# Altium PCB mantarray_beta2_sensor.PcbDoc (part 4 of 5) (continued)
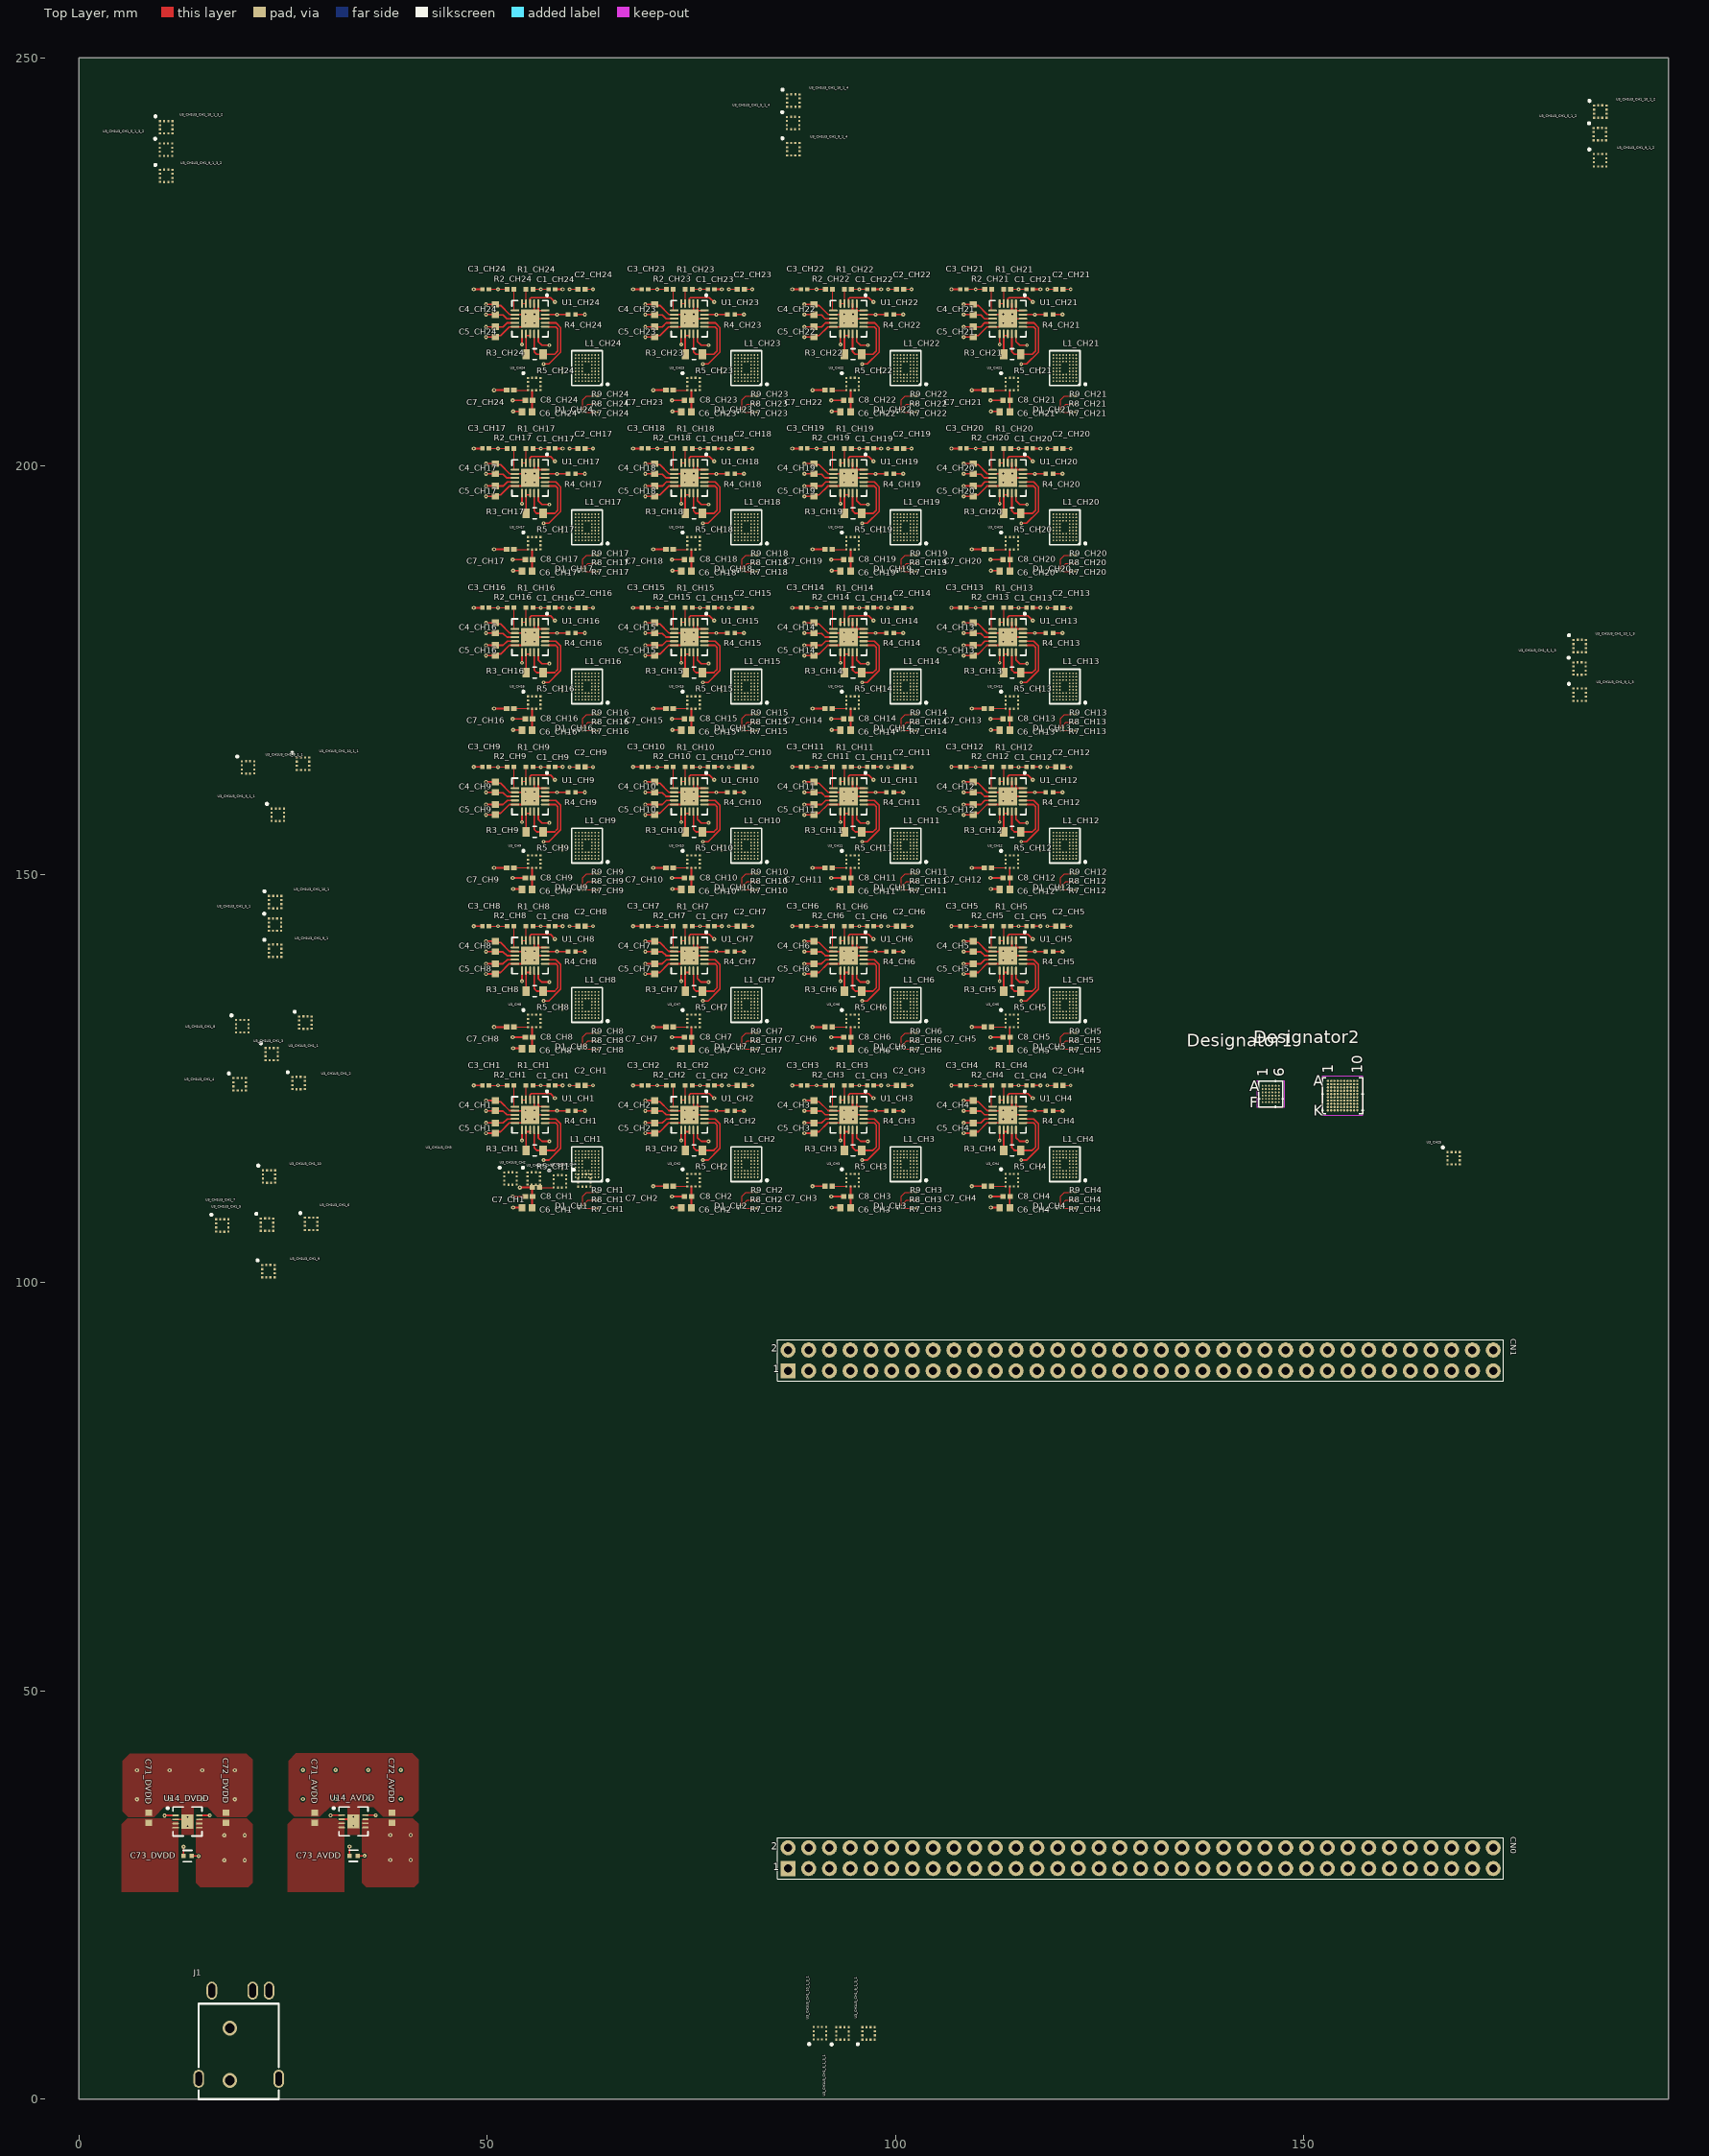
[diagram p0: Top Layer view]
## Nets (pads, with @x,y where several pads share a name; then routed paths per layer and width w, separated by ;. In a path a pad name is that pad's centre, name@x,y a point inside that pad or via, vN(x,y) a via of type N, cw(c..) or ccw(c..) an arc to the next point about the centre after c; other vN are vias at no path point) (continued)
  Top Layer w0.203: v1(10.499,34.725) 10.522,34.748 11.747,34.748 11.749,34.75 ; 11.749,34.25 13.049,34.25 13.299,34 ; 13.799,29.775 v2(14.649,29.775) ; 14.849,34.75 v2(16.034,34.75) ; v1(30.825,34.75) 30.848,34.773 32.073,34.773 32.075,34.775 ; 32.075,34.275 33.375,34.275 33.625,34.025 ; 34.125,29.8 v2(34.975,29.8) ; 35.175,34.775 v2(36.36,34.775) ; v1(48.351,124.148) 48.353,124.15 49.42,124.15 ; v1(48.351,143.648) 48.353,143.65 49.42,143.65 ; v1(48.351,163.148) 48.353,163.15 49.42,163.15 ; v1(48.351,182.648) 48.353,182.65 49.42,182.65 ; v1(48.351,202.148) 48.353,202.15 49.42,202.15 ; v1(48.351,221.648) 48.353,221.65 49.42,221.65 ; v1(49.85,118.3) 51,118.3 51.186,118.486 51.636,118.486 52.7,119.55 54.25,119.55 ; v1(49.85,119.55) 51.95,119.55 52.45,120.05 52.99,120.05 ; v1(49.85,121.05) 51,121.05 51.05,121 51.95,121 52.4,120.55 53.175,120.55 ; v1(49.85,122.3) 51,122.3 51.136,122.164 51.636,122.164 52.741,121.059 53.266,121.059 53.275,121.05 v3@54.75,121.05 ; v1(49.85,137.8) 51,137.8 51.186,137.986 51.636,137.986 52.7,139.05 54.25,139.05 ; v1(49.85,139.05) 51.95,139.05 52.45,139.55 52.99,139.55 ; v1(49.85,140.55) 51,140.55 51.05,140.5 51.95,140.5 52.4,140.05 53.175,140.05 ; v1(49.85,141.8) 51,141.8 51.136,141.664 51.636,141.664 52.741,140.559 53.266,140.559 53.275,140.55 v3@54.75,140.55 ; v1(49.85,157.3) 51,157.3 51.186,157.486 51.636,157.486 52.7,158.55 54.25,158.55 ; v1(49.85,158.55) 51.95,158.55 52.45,159.05 52.99,159.05 ; v1(49.85,160.05) 51,160.05 51.05,160 51.95,160 52.4,159.55 53.175,159.55 ; v1(49.85,161.3) 51,161.3 51.136,161.164 51.636,161.164 52.741,160.059 53.266,160.059 53.275,160.05 v3@54.75,160.05 ; v1(49.85,176.8) 51,176.8 51.186,176.986 51.636,176.986 52.7,178.05 54.25,178.05 ; v1(49.85,178.05) 51.95,178.05 52.45,178.55 52.99,178.55 ; v1(49.85,179.55) 51,179.55 51.05,179.5 51.95,179.5 52.4,179.05 53.175,179.05 ; v1(49.85,180.8) 51,180.8 51.136,180.664 51.636,180.664 52.741,179.559 53.266,179.559 53.275,179.55 v3@54.75,179.55 ; v1(49.85,196.3) 51,196.3 51.186,196.486 51.636,196.486 52.7,197.55 54.25,197.55 ; v1(49.85,197.55) 51.95,197.55 52.45,198.05 52.99,198.05 ; v1(49.85,199.05) 51,199.05 51.05,199 51.95,199 52.4,198.55 53.175,198.55 ; v1(49.85,200.3) 51,200.3 51.136,200.164 51.636,200.164 52.741,199.059 53.266,199.059 53.275,199.05 v3@54.75,199.05 ; v1(49.85,215.8) 51,215.8 51.186,215.986 51.636,215.986 52.7,217.05 54.25,217.05 ; v1(49.85,217.05) 51.95,217.05 52.45,217.55 52.99,217.55 ; v1(49.85,218.55) 51,218.55 51.05,218.5 51.95,218.5 52.4,218.05 53.175,218.05 ; v1(49.85,219.8) 51,219.8 51.136,219.664 51.636,219.664 52.741,218.559 53.266,218.559 53.275,218.55 v3@54.75,218.55 ; v1(50.841,131.3) 52.435,131.3 ; v1(50.841,150.8) 52.435,150.8 ; v1(50.841,170.3) 52.435,170.3 ; v1(50.841,189.8) 52.435,189.8 ; v1(50.841,209.3) 52.435,209.3 ; v1(53.125,110.55) 54.719,110.55 ; v1(53.125,130.05) 54.719,130.05 ; v1(53.125,149.55) 54.719,149.55 ; v1(53.125,169.05) 54.719,169.05 ; v1(53.125,188.55) 54.719,188.55 ; v1(53.125,208.05) 54.719,208.05 ; v1(53.175,109.2) 54.2,109.2 54.25,109.15 ; v1(53.175,128.7) 54.2,128.7 54.25,128.65 ; v1(53.175,148.2) 54.2,148.2 54.25,148.15 ; v1(53.175,167.7) 54.2,167.7 54.25,167.65 ; v1(53.175,187.2) 54.2,187.2 54.25,187.15 ; v1(53.175,206.7) 54.2,206.7 54.25,206.65 ; v1(53.991,111.65) 55.585,111.65 ; 54.25,118.575 54.253,118.572 54.253,117.408 v2(54.256,117.405) ; 54.25,138.075 54.253,138.072 54.253,136.908 v2(54.256,136.905) ; 54.25,157.575 54.253,157.572 54.253,156.408 v2(54.256,156.405) ; 54.25,177.075 54.253,177.072 54.253,175.908 v2(54.256,175.905) ; 54.25,196.575 54.253,196.572 54.253,195.408 v2(54.256,195.405) ; 54.25,216.075 54.253,216.072 54.253,214.908 v2(54.256,214.905) ; 54.75,116.2 54.75,118.449 ; 54.75,118.575 54.75,118.449 ; 54.75,135.7 54.75,137.949 ; 54.75,138.075 54.75,137.949 ; 54.75,155.2 54.75,157.449 ; 54.75,157.575 54.75,157.449 ; 54.75,174.7 54.75,176.949 ; 54.75,177.075 54.75,176.949 ; 54.75,194.2 54.75,196.449 ; 54.75,196.575 54.75,196.449 ; 54.75,213.7 54.75,215.949 ; 54.75,216.075 54.75,215.949 ; 55.25,118.475 54.776,118.475 54.75,118.449 ; 55.25,120.55 57.1,120.55 57.5,120.55 ; 55.25,137.975 54.776,137.975 54.75,137.949 ; 55.25,140.05 57.1,140.05 57.5,140.05 ; 55.25,157.475 54.776,157.475 54.75,157.449 ; 55.25,159.55 57.1,159.55 57.5,159.55 ; 55.25,176.975 54.776,176.975 54.75,176.949 ; 55.25,179.05 57.1,179.05 57.5,179.05 ; 55.25,196.475 54.776,196.475 54.75,196.449 ; 55.25,198.55 57.1,198.55 57.5,198.55 ; 55.25,215.975 54.776,215.975 54.75,215.949 ; 55.25,218.05 57.1,218.05 57.5,218.05 ; 55.75,118.3 55.75,116.5 56.05,116.2 56.85,116.2 58.25,116.2 58.65,116.6 58.65,119.3 58.4,119.55 57.5,119.55 ; v3@55.75,121.05 55.75,122.4 ; 55.75,137.8 55.75,136 56.05,135.7 56.85,135.7 58.25,135.7 58.65,136.1 58.65,138.8 58.4,139.05 57.5,139.05 ; v3@55.75,140.55 55.75,141.9 ; 55.75,157.3 55.75,155.5 56.05,155.2 56.85,155.2 58.25,155.2 58.65,155.6 58.65,158.3 58.4,158.55 57.5,158.55 ; v3@55.75,160.05 55.75,161.4 ; 55.75,176.8 55.75,175 56.05,174.7 56.85,174.7 58.25,174.7 58.65,175.1 58.65,177.8 58.4,178.05 57.5,178.05 ; v3@55.75,179.55 55.75,180.9 ; 55.75,196.3 55.75,194.5 56.05,194.2 56.85,194.2 58.25,194.2 58.65,194.6 58.65,197.3 58.4,197.55 57.5,197.55 ; v3@55.75,199.05 55.75,200.4 ; 55.75,215.8 55.75,214 56.05,213.7 56.85,213.7 58.25,213.7 58.65,214.1 58.65,216.8 58.4,217.05 57.5,217.05 ; v3@55.75,218.55 55.75,219.9 ; 56.25,118.3 56.25,117.75 56.7,117.3 v2(57.6,117.3) ; 56.25,122.525 56.25,121.55 57.225,121.55 ; 56.25,137.8 56.25,137.25 56.7,136.8 v2(57.6,136.8) ; 56.25,142.025 56.25,141.05 57.225,141.05 ; 56.25,157.3 56.25,156.75 56.7,156.3 v2(57.6,156.3) ; 56.25,161.525 56.25,160.55 57.225,160.55 ; 56.25,176.8 56.25,176.25 56.7,175.8 v2(57.6,175.8) ; 56.25,181.025 56.25,180.05 57.225,180.05 ; 56.25,196.3 56.25,195.75 56.7,195.3 v2(57.6,195.3) ; 56.25,200.525 56.25,199.55 57.225,199.55 ; 56.25,215.8 56.25,215.25 56.7,214.8 v2(57.6,214.8) ; 56.25,220.025 56.25,219.05 57.225,219.05 ; v2(56.9,115) 57.55,115 59,116.45 59,119.45 58.4,120.05 57.5,120.05 ; v2(56.9,134.5) 57.55,134.5 59,135.95 59,138.95 58.4,139.55 57.5,139.55 ; v2(56.9,154) 57.55,154 59,155.45 59,158.45 58.4,159.05 57.5,159.05 ; v2(56.9,173.5) 57.55,173.5 59,174.95 59,177.95 58.4,178.55 57.5,178.55 ; v2(56.9,193) 57.55,193 59,194.45 59,197.45 58.4,198.05 57.5,198.05 ; v2(56.9,212.5) 57.55,212.5 59,213.95 59,216.95 58.4,217.55 57.5,217.55 ; 57.351,121.05 v2(58.55,121.05) 59.9,121.05 ; 57.351,140.55 v2(58.55,140.55) 59.9,140.55 ; 57.351,160.05 v2(58.55,160.05) 59.9,160.05 ; 57.351,179.55 v2(58.55,179.55) 59.9,179.55 ; 57.351,199.05 v2(58.55,199.05) 59.9,199.05 ; 57.351,218.55 v2(58.55,218.55) 59.9,218.55 ; 58.315,124.15 v1(59.244,124.15) ; 58.315,143.65 v1(59.244,143.65) ; 58.315,163.15 v1(59.244,163.15) ; 58.315,182.65 v1(59.244,182.65) ; 58.315,202.15 v1(59.244,202.15) ; 58.315,221.65 v1(59.244,221.65) ; 60.8,121.05 v1(61.95,121.05) ; 60.8,140.55 v1(61.95,140.55) ; 60.8,160.05 v1(61.95,160.05) ; 60.8,179.55 v1(61.95,179.55) ; 60.8,199.05 v1(61.95,199.05) ; 60.8,218.55 v1(61.95,218.55) ; v1(67.851,124.148) 67.853,124.15 68.92,124.15 ; v1(67.851,143.648) 67.853,143.65 68.92,143.65 ; v1(67.851,163.148) 67.853,163.15 68.92,163.15 ; v1(67.851,182.648) 67.853,182.65 68.92,182.65 ; v1(67.851,202.148) 67.853,202.15 68.92,202.15 ; v1(67.851,221.648) 67.853,221.65 68.92,221.65 ; v1(69.35,118.3) 70.5,118.3 70.686,118.486 71.136,118.486 72.2,119.55 73.75,119.55 ; v1(69.35,119.55) 71.45,119.55 71.95,120.05 72.49,120.05 ; v1(69.35,121.05) 70.5,121.05 70.55,121 71.45,121 71.9,120.55 72.675,120.55 ; v1(69.35,122.3) 70.5,122.3 70.636,122.164 71.136,122.164 72.241,121.059 72.766,121.059 72.775,121.05 v3@74.25,121.05 ; v1(69.35,137.8) 70.5,137.8 70.686,137.986 71.136,137.986 72.2,139.05 73.75,139.05 ; v1(69.35,139.05) 71.45,139.05 71.95,139.55 72.49,139.55 ; v1(69.35,140.55) 70.5,140.55 70.55,140.5 71.45,140.5 71.9,140.05 72.675,140.05 ; v1(69.35,141.8) 70.5,141.8 70.636,141.664 71.136,141.664 72.241,140.559 72.766,140.559 72.775,140.55 v3@74.25,140.55 ; v1(69.35,157.3) 70.5,157.3 70.686,157.486 71.136,157.486 72.2,158.55 73.75,158.55 ; v1(69.35,158.55) 71.45,158.55 71.95,159.05 72.49,159.05 ; v1(69.35,160.05) 70.5,160.05 70.55,160 71.45,160 71.9,159.55 72.675,159.55 ; v1(69.35,161.3) 70.5,161.3 70.636,161.164 71.136,161.164 72.241,160.059 72.766,160.059 72.775,160.05 v3@74.25,160.05 ; v1(69.35,176.8) 70.5,176.8 70.686,176.986 71.136,176.986 72.2,178.05 73.75,178.05 ; v1(69.35,178.05) 71.45,178.05 71.95,178.55 72.49,178.55 ; v1(69.35,179.55) 70.5,179.55 70.55,179.5 71.45,179.5 71.9,179.05 72.675,179.05 ; v1(69.35,180.8) 70.5,180.8 70.636,180.664 71.136,180.664 72.241,179.559 72.766,179.559 72.775,179.55 v3@74.25,179.55 ; v1(69.35,196.3) 70.5,196.3 70.686,196.486 71.136,196.486 72.2,197.55 73.75,197.55 ; v1(69.35,197.55) 71.45,197.55 71.95,198.05 72.49,198.05 ; v1(69.35,199.05) 70.5,199.05 70.55,199 71.45,199 71.9,198.55 72.675,198.55 ; v1(69.35,200.3) 70.5,200.3 70.636,200.164 71.136,200.164 72.241,199.059 72.766,199.059 72.775,199.05 v3@74.25,199.05 ; v1(69.35,215.8) 70.5,215.8 70.686,215.986 71.136,215.986 72.2,217.05 73.75,217.05 ; v1(69.35,217.05) 71.45,217.05 71.95,217.55 72.49,217.55 ; v1(69.35,218.55) 70.5,218.55 70.55,218.5 71.45,218.5 71.9,218.05 72.675,218.05 ; v1(69.35,219.8) 70.5,219.8 70.636,219.664 71.136,219.664 72.241,218.559 72.766,218.559 72.775,218.55 v3@74.25,218.55 ; v1(70.341,111.8) 71.935,111.8 ; v1(70.341,131.3) 71.935,131.3 ; v1(70.341,150.8) 71.935,150.8 ; v1(70.341,170.3) 71.935,170.3 ; v1(70.341,189.8) 71.935,189.8 ; v1(70.341,209.3) 71.935,209.3 ; v1(72.625,110.55) 74.219,110.55 ; v1(72.625,130.05) 74.219,130.05 ; v1(72.625,149.55) 74.219,149.55 ; v1(72.625,169.05) 74.219,169.05 ; v1(72.625,188.55) 74.219,188.55 ; v1(72.625,208.05) 74.219,208.05 ; v1(72.675,109.2) 73.7,109.2 73.75,109.15 ; v1(72.675,128.7) 73.7,128.7 73.75,128.65 ; v1(72.675,148.2) 73.7,148.2 73.75,148.15 ; v1(72.675,167.7) 73.7,167.7 73.75,167.65 ; v1(72.675,187.2) 73.7,187.2 73.75,187.15 ; v1(72.675,206.7) 73.7,206.7 73.75,206.65 ; 73.75,118.575 73.753,118.572 73.753,117.408 v2(73.756,117.405) ; 73.75,138.075 73.753,138.072 73.753,136.908 v2(73.756,136.905) ; 73.75,157.575 73.753,157.572 73.753,156.408 v2(73.756,156.405) ; 73.75,177.075 73.753,177.072 73.753,175.908 v2(73.756,175.905) ; 73.75,196.575 73.753,196.572 73.753,195.408 v2(73.756,195.405) ; 73.75,216.075 73.753,216.072 73.753,214.908 v2(73.756,214.905) ; 74.25,116.2 74.25,118.449 ; 74.25,118.575 74.25,118.449 ; 74.25,135.7 74.25,137.949 ; 74.25,138.075 74.25,137.949 ; 74.25,155.2 74.25,157.449 ; 74.25,157.575 74.25,157.449 ; 74.25,174.7 74.25,176.949 ; 74.25,177.075 74.25,176.949 ; 74.25,194.2 74.25,196.449 ; 74.25,196.575 74.25,196.449 ; 74.25,213.7 74.25,215.949 ; 74.25,216.075 74.25,215.949 ; 74.75,118.475 74.276,118.475 74.25,118.449 ; 74.75,120.55 76.6,120.55 77,120.55 ; 74.75,137.975 74.276,137.975 74.25,137.949 ; 74.75,140.05 76.6,140.05 77,140.05 ; 74.75,157.475 74.276,157.475 74.25,157.449 ; 74.75,159.55 76.6,159.55 77,159.55 ; 74.75,176.975 74.276,176.975 74.25,176.949 ; 74.75,179.05 76.6,179.05 77,179.05 ; 74.75,196.475 74.276,196.475 74.25,196.449 ; 74.75,198.55 76.6,198.55 77,198.55 ; 74.75,215.975 74.276,215.975 74.25,215.949 ; 74.75,218.05 76.6,218.05 77,218.05 ; 75.25,118.3 75.25,116.5 75.55,116.2 76.35,116.2 77.75,116.2 78.15,116.6 78.15,119.3 77.9,119.55 77,119.55 ; v3@75.25,121.05 75.25,122.4 ; 75.25,137.8 75.25,136 75.55,135.7 76.35,135.7 77.75,135.7 78.15,136.1 78.15,138.8 77.9,139.05 77,139.05 ; v3@75.25,140.55 75.25,141.9 ; 75.25,157.3 75.25,155.5 75.55,155.2 76.35,155.2 77.75,155.2 78.15,155.6 78.15,158.3 77.9,158.55 77,158.55 ; v3@75.25,160.05 75.25,161.4 ; 75.25,176.8 75.25,175 75.55,174.7 76.35,174.7 77.75,174.7 78.15,175.1 78.15,177.8 77.9,178.05 77,178.05 ; v3@75.25,179.55 75.25,180.9 ; 75.25,196.3 75.25,194.5 75.55,194.2 76.35,194.2 77.75,194.2 78.15,194.6 78.15,197.3 77.9,197.55 77,197.55 ; v3@75.25,199.05 75.25,200.4 ; 75.25,215.8 75.25,214 75.55,213.7 76.35,213.7 77.75,213.7 78.15,214.1 78.15,216.8 77.9,217.05 77,217.05 ; v3@75.25,218.55 75.25,219.9 ; 75.75,118.3 75.75,117.75 76.2,117.3 v2(77.1,117.3) ; 75.75,122.525 75.75,121.55 76.725,121.55 ; 75.75,137.8 75.75,137.25 76.2,136.8 v2(77.1,136.8) ; 75.75,142.025 75.75,141.05 76.725,141.05 ; 75.75,157.3 75.75,156.75 76.2,156.3 v2(77.1,156.3) ; 75.75,161.525 75.75,160.55 76.725,160.55 ; 75.75,176.8 75.75,176.25 76.2,175.8 v2(77.1,175.8) ; 75.75,181.025 75.75,180.05 76.725,180.05 ; 75.75,196.3 75.75,195.75 76.2,195.3 v2(77.1,195.3) ; 75.75,200.525 75.75,199.55 76.725,199.55 ; 75.75,215.8 75.75,215.25 76.2,214.8 v2(77.1,214.8) ; 75.75,220.025 75.75,219.05 76.725,219.05 ; v2(76.4,115) 77.05,115 78.5,116.45 78.5,119.45 77.9,120.05 77,120.05 ; v2(76.4,134.5) 77.05,134.5 78.5,135.95 78.5,138.95 77.9,139.55 77,139.55 ; v2(76.4,154) 77.05,154 78.5,155.45 78.5,158.45 77.9,159.05 77,159.05 ; v2(76.4,173.5) 77.05,173.5 78.5,174.95 78.5,177.95 77.9,178.55 77,178.55 ; v2(76.4,193) 77.05,193 78.5,194.45 78.5,197.45 77.9,198.05 77,198.05 ; v2(76.4,212.5) 77.05,212.5 78.5,213.95 78.5,216.95 77.9,217.55 77,217.55 ; 76.851,121.05 v2(78.05,121.05) 79.4,121.05 ; 76.851,140.55 v2(78.05,140.55) 79.4,140.55 ; 76.851,160.05 v2(78.05,160.05) 79.4,160.05 ; 76.851,179.55 v2(78.05,179.55) 79.4,179.55 ; 76.851,199.05 v2(78.05,199.05) 79.4,199.05 ; 76.851,218.55 v2(78.05,218.55) 79.4,218.55 ; 77.815,124.15 v1(78.744,124.15) ; 77.815,143.65 v1(78.744,143.65) ; 77.815,163.15 v1(78.744,163.15) ; 77.815,182.65 v1(78.744,182.65) ; 77.815,202.15 v1(78.744,202.15) ; 77.815,221.65 v1(78.744,221.65) ; 80.3,121.05 v1(81.45,121.05) ; 80.3,140.55 v1(81.45,140.55) ; 80.3,160.05 v1(81.45,160.05) ; 80.3,179.55 v1(81.45,179.55) ; 80.3,199.05 v1(81.45,199.05) ; 80.3,218.55 v1(81.45,218.55) ; v1(87.351,124.148) 87.353,124.15 88.42,124.15 ; v1(87.351,143.648) 87.353,143.65 88.42,143.65 ; v1(87.351,163.148) 87.353,163.15 88.42,163.15 ; v1(87.351,182.648) 87.353,182.65 88.42,182.65 ; v1(87.351,202.148) 87.353,202.15 88.42,202.15 ; v1(87.351,221.648) 87.353,221.65 88.42,221.65 ; v1(88.85,118.3) 90,118.3 90.186,118.486 90.636,118.486 91.7,119.55 93.25,119.55 ; v1(88.85,119.55) 90.95,119.55 91.45,120.05 91.99,120.05 ; v1(88.85,121.05) 90,121.05 90.05,121 90.95,121 91.4,120.55 92.175,120.55 ; v1(88.85,122.3) 90,122.3 90.136,122.164 90.636,122.164 91.741,121.059 92.266,121.059 92.275,121.05 v3@93.75,121.05 ; v1(88.85,137.8) 90,137.8 90.186,137.986 90.636,137.986 91.7,139.05 93.25,139.05 ; v1(88.85,139.05) 90.95,139.05 91.45,139.55 91.99,139.55 ; v1(88.85,140.55) 90,140.55 90.05,140.5 90.95,140.5 91.4,140.05 92.175,140.05 ; v1(88.85,141.8) 90,141.8 90.136,141.664 90.636,141.664 91.741,140.559 92.266,140.559 92.275,140.55 v3@93.75,140.55 ; v1(88.85,157.3) 90,157.3 90.186,157.486 90.636,157.486 91.7,158.55 93.25,158.55 ; v1(88.85,158.55) 90.95,158.55 91.45,159.05 91.99,159.05 ; v1(88.85,160.05) 90,160.05 90.05,160 90.95,160 91.4,159.55 92.175,159.55 ; v1(88.85,161.3) 90,161.3 90.136,161.164 90.636,161.164 91.741,160.059 92.266,160.059 92.275,160.05 v3@93.75,160.05 ; v1(88.85,176.8) 90,176.8 90.186,176.986 90.636,176.986 91.7,178.05 93.25,178.05 ; v1(88.85,178.05) 90.95,178.05 91.45,178.55 91.99,178.55 ; v1(88.85,179.55) 90,179.55 90.05,179.5 90.95,179.5 91.4,179.05 92.175,179.05 ; v1(88.85,180.8) 90,180.8 90.136,180.664 90.636,180.664 91.741,179.559 92.266,179.559 92.275,179.55 v3@93.75,179.55 ; v1(88.85,196.3) 90,196.3 90.186,196.486 90.636,196.486 91.7,197.55 93.25,197.55 ; v1(88.85,197.55) 90.95,197.55 91.45,198.05 91.99,198.05 ; v1(88.85,199.05) 90,199.05 90.05,199 90.95,199 91.4,198.55 92.175,198.55 ; v1(88.85,200.3) 90,200.3 90.136,200.164 90.636,200.164 91.741,199.059 92.266,199.059 92.275,199.05 v3@93.75,199.05 ; v1(88.85,215.8) 90,215.8 90.186,215.986 90.636,215.986 91.7,217.05 93.25,217.05 ; v1(88.85,217.05) 90.95,217.05 91.45,217.55 91.99,217.55 ; v1(88.85,218.55) 90,218.55 90.05,218.5 90.95,218.5 91.4,218.05 92.175,218.05 ; v1(88.85,219.8) 90,219.8 90.136,219.664 90.636,219.664 91.741,218.559 92.266,218.559 92.275,218.55 v3@93.75,218.55 ; v1(89.841,111.8) 91.435,111.8 ; v1(89.841,131.3) 91.435,131.3 ; v1(89.841,150.8) 91.435,150.8 ; v1(89.841,170.3) 91.435,170.3 ; v1(89.841,189.8) 91.435,189.8 ; v1(89.841,209.3) 91.435,209.3 ; v1(92.125,110.55) 93.719,110.55 ; v1(92.125,130.05) 93.719,130.05 ; v1(92.125,149.55) 93.719,149.55 ; v1(92.125,169.05) 93.719,169.05 ; v1(92.125,188.55) 93.719,188.55 ; v1(92.125,208.05) 93.719,208.05 ; v1(92.175,109.2) 93.2,109.2 93.25,109.15 ; v1(92.175,128.7) 93.2,128.7 93.25,128.65 ; v1(92.175,148.2) 93.2,148.2 93.25,148.15 ; v1(92.175,167.7) 93.2,167.7 93.25,167.65 ; v1(92.175,187.2) 93.2,187.2 93.25,187.15 ; v1(92.175,206.7) 93.2,206.7 93.25,206.65 ; 93.25,118.575 93.253,118.572 93.253,117.408 v2(93.256,117.405) ; 93.25,138.075 93.253,138.072 93.253,136.908 v2(93.256,136.905) ; 93.25,157.575 93.253,157.572 93.253,156.408 v2(93.256,156.405) ; 93.25,177.075 93.253,177.072 93.253,175.908 v2(93.256,175.905) ; 93.25,196.575 93.253,196.572 93.253,195.408 v2(93.256,195.405) ; 93.25,216.075 93.253,216.072 93.253,214.908 v2(93.256,214.905) ; 93.75,116.2 93.75,118.449 ; 93.75,118.575 93.75,118.449 ; 93.75,135.7 93.75,137.949 ; 93.75,138.075 93.75,137.949 ; 93.75,155.2 93.75,157.449 ; 93.75,157.575 93.75,157.449 ; 93.75,174.7 93.75,176.949 ; 93.75,177.075 93.75,176.949 ; 93.75,194.2 93.75,196.449 ; 93.75,196.575 93.75,196.449 ; 93.75,213.7 93.75,215.949 ; 93.75,216.075 93.75,215.949 ; 94.25,118.475 93.776,118.475 93.75,118.449 ; 94.25,120.55 96.1,120.55 96.5,120.55 ; 94.25,137.975 93.776,137.975 93.75,137.949 ; 94.25,140.05 96.1,140.05 96.5,140.05 ; 94.25,157.475 93.776,157.475 93.75,157.449 ; 94.25,159.55 96.1,159.55 96.5,159.55 ; 94.25,176.975 93.776,176.975 93.75,176.949 ; 94.25,179.05 96.1,179.05 96.5,179.05 ; 94.25,196.475 93.776,196.475 93.75,196.449 ; 94.25,198.55 96.1,198.55 96.5,198.55 ; 94.25,215.975 93.776,215.975 93.75,215.949 ; 94.25,218.05 96.1,218.05 96.5,218.05 ; 94.75,118.3 94.75,116.5 95.05,116.2 95.85,116.2 97.25,116.2 97.65,116.6 97.65,119.3 97.4,119.55 96.5,119.55 ; v3@94.75,121.05 94.75,122.4 ; 94.75,137.8 94.75,136 95.05,135.7 95.85,135.7 97.25,135.7 97.65,136.1 97.65,138.8 97.4,139.05 96.5,139.05 ; v3@94.75,140.55 94.75,141.9 ; 94.75,157.3 94.75,155.5 95.05,155.2 95.85,155.2 97.25,155.2 97.65,155.6 97.65,158.3 97.4,158.55 96.5,158.55 ; v3@94.75,160.05 94.75,161.4 ; 94.75,176.8 94.75,175 95.05,174.7 95.85,174.7 97.25,174.7 97.65,175.1 97.65,177.8 97.4,178.05 96.5,178.05 ; v3@94.75,179.55 94.75,180.9 ; 94.75,196.3 94.75,194.5 95.05,194.2 95.85,194.2 97.25,194.2 97.65,194.6 97.65,197.3 97.4,197.55 96.5,197.55 ; v3@94.75,199.05 94.75,200.4 ; 94.75,215.8 94.75,214 95.05,213.7 95.85,213.7 97.25,213.7 97.65,214.1 97.65,216.8 97.4,217.05 96.5,217.05 ; v3@94.75,218.55 94.75,219.9 ; 95.25,118.3 95.25,117.75 95.7,117.3 v2(96.6,117.3) ; 95.25,122.525 95.25,121.55 96.225,121.55 ; 95.25,137.8 95.25,137.25 95.7,136.8 v2(96.6,136.8) ; 95.25,142.025 95.25,141.05 96.225,141.05 ; 95.25,157.3 95.25,156.75 95.7,156.3 v2(96.6,156.3) ; 95.25,161.525 95.25,160.55 96.225,160.55 ; 95.25,176.8 95.25,176.25 95.7,175.8 v2(96.6,175.8) ; 95.25,181.025 95.25,180.05 96.225,180.05 ; 95.25,196.3 95.25,195.75 95.7,195.3 v2(96.6,195.3) ; 95.25,200.525 95.25,199.55 96.225,199.55 ; 95.25,215.8 95.25,215.25 95.7,214.8 v2(96.6,214.8) ; 95.25,220.025 95.25,219.05 96.225,219.05 ; v2(95.9,115) 96.55,115 98,116.45 98,119.45 97.4,120.05 96.5,120.05 ; v2(95.9,134.5) 96.55,134.5 98,135.95 98,138.95 97.4,139.55 96.5,139.55 ; v2(95.9,154) 96.55,154 98,155.45 98,158.45 97.4,159.05 96.5,159.05 ; v2(95.9,173.5) 96.55,173.5 98,174.95 98,177.95 97.4,178.55 96.5,178.55 ; v2(95.9,193) 96.55,193 98,194.45 98,197.45 97.4,198.05 96.5,198.05 ; v2(95.9,212.5) 96.55,212.5 98,213.95 98,216.95 97.4,217.55 96.5,217.55 ; 96.351,121.05 v2(97.55,121.05) 98.9,121.05 ; 96.351,140.55 v2(97.55,140.55) 98.9,140.55 ; 96.351,160.05 v2(97.55,160.05) 98.9,160.05 ; 96.351,179.55 v2(97.55,179.55) 98.9,179.55 ; 96.351,199.05 v2(97.55,199.05) 98.9,199.05 ; 96.351,218.55 v2(97.55,218.55) 98.9,218.55 ; 97.315,124.15 v1(98.244,124.15) ; 97.315,143.65 v1(98.244,143.65) ; 97.315,163.15 v1(98.244,163.15) ; 97.315,182.65 v1(98.244,182.65) ; 97.315,202.15 v1(98.244,202.15) ; 97.315,221.65 v1(98.244,221.65) ; 99.8,121.05 v1(100.95,121.05) ; 99.8,140.55 v1(100.95,140.55) ; 99.8,160.05 v1(100.95,160.05) ; 99.8,179.55 v1(100.95,179.55) ; 99.8,199.05 v1(100.95,199.05) ; 99.8,218.55 v1(100.95,218.55) ; v1(106.851,124.148) 106.853,124.15 107.92,124.15 ; v1(106.851,143.648) 106.853,143.65 107.92,143.65 ; v1(106.851,163.148) 106.853,163.15 107.92,163.15 ; v1(106.851,182.648) 106.853,182.65 107.92,182.65 ; v1(106.851,202.148) 106.853,202.15 107.92,202.15 ; v1(106.851,221.648) 106.853,221.65 107.92,221.65 ; v1(108.35,118.3) 109.5,118.3 109.686,118.486 110.136,118.486 111.2,119.55 112.75,119.55 ; v1(108.35,119.55) 110.45,119.55 110.95,120.05 111.49,120.05 ; v1(108.35,121.05) 109.5,121.05 109.55,121 110.45,121 110.9,120.55 111.675,120.55 ; v1(108.35,122.3) 109.5,122.3 109.636,122.164 110.136,122.164 111.241,121.059 111.766,121.059 111.775,121.05 v3@113.25,121.05 ; v1(108.35,137.8) 109.5,137.8 109.686,137.986 110.136,137.986 111.2,139.05 112.75,139.05 ; v1(108.35,139.05) 110.45,139.05 110.95,139.55 111.49,139.55 ; v1(108.35,140.55) 109.5,140.55 109.55,140.5 110.45,140.5 110.9,140.05 111.675,140.05 ; v1(108.35,141.8) 109.5,141.8 109.636,141.664 110.136,141.664 111.241,140.559 111.766,140.559 111.775,140.55 v3@113.25,140.55 ; v1(108.35,157.3) 109.5,157.3 109.686,157.486 110.136,157.486 111.2,158.55 112.75,158.55 ; v1(108.35,158.55) 110.45,158.55 110.95,159.05 111.49,159.05 ; v1(108.35,160.05) 109.5,160.05 109.55,160 110.45,160 110.9,159.55 111.675,159.55 ; v1(108.35,161.3) 109.5,161.3 109.636,161.164 110.136,161.164 111.241,160.059 111.766,160.059 111.775,160.05 v3@113.25,160.05 ; v1(108.35,176.8) 109.5,176.8 109.686,176.986 110.136,176.986 111.2,178.05 112.75,178.05 ; v1(108.35,178.05) 110.45,178.05 110.95,178.55 111.49,178.55 ; v1(108.35,179.55) 109.5,179.55 109.55,179.5 110.45,179.5 110.9,179.05 111.675,179.05 ; v1(108.35,180.8) 109.5,180.8 109.636,180.664 110.136,180.664 111.241,179.559 111.766,179.559 111.775,179.55 v3@113.25,179.55 ; v1(108.35,196.3) 109.5,196.3 109.686,196.486 110.136,196.486 111.2,197.55 112.75,197.55 ; v1(108.35,197.55) 110.45,197.55 110.95,198.05 111.49,198.05 ; v1(108.35,199.05) 109.5,199.05 109.55,199 110.45,199 110.9,198.55 111.675,198.55 ; v1(108.35,200.3) 109.5,200.3 109.636,200.164 110.136,200.164 111.241,199.059 111.766,199.059 111.775,199.05 v3@113.25,199.05 ; v1(108.35,215.8) 109.5,215.8 109.686,215.986 110.136,215.986 111.2,217.05 112.75,217.05 ; v1(108.35,217.05) 110.45,217.05 110.95,217.55 111.49,217.55 ; v1(108.35,218.55) 109.5,218.55 109.55,218.5 110.45,218.5 110.9,218.05 111.675,218.05 ; v1(108.35,219.8) 109.5,219.8 109.636,219.664 110.136,219.664 111.241,218.559 111.766,218.559 111.775,218.55 v3@113.25,218.55 ; v1(109.341,111.8) 110.935,111.8 ; v1(109.341,131.3) 110.935,131.3 ; v1(109.341,150.8) 110.935,150.8 ; v1(109.341,170.3) 110.935,170.3 ; v1(109.341,189.8) 110.935,189.8 ; v1(109.341,209.3) 110.935,209.3 ; v1(111.625,110.55) 113.219,110.55 ; v1(111.625,130.05) 113.219,130.05 ; v1(111.625,149.55) 113.219,149.55 ; v1(111.625,169.05) 113.219,169.05 ; v1(111.625,188.55) 113.219,188.55 ; v1(111.625,208.05) 113.219,208.05 ; v1(111.675,109.2) 112.7,109.2 112.75,109.15 ; v1(111.675,128.7) 112.7,128.7 112.75,128.65 ; v1(111.675,148.2) 112.7,148.2 112.75,148.15 ; v1(111.675,167.7) 112.7,167.7 112.75,167.65 ; v1(111.675,187.2) 112.7,187.2 112.75,187.15 ; v1(111.675,206.7) 112.7,206.7 112.75,206.65 ; 112.75,118.575 112.753,118.572 112.753,117.408 v2(112.756,117.405) ; 112.75,138.075 112.753,138.072 112.753,136.908 v2(112.756,136.905) ; 112.75,157.575 112.753,157.572 112.753,156.408 v2(112.756,156.405) ; 112.75,177.075 112.753,177.072 112.753,175.908 v2(112.756,175.905) ; 112.75,196.575 112.753,196.572 112.753,195.408 v2(112.756,195.405) ; 112.75,216.075 112.753,216.072 112.753,214.908 v2(112.756,214.905) ; 113.25,116.2 113.25,118.449 ; 113.25,118.575 113.25,118.449 ; 113.25,135.7 113.25,137.949 ; 113.25,138.075 113.25,137.949 ; 113.25,155.2 113.25,157.449 ; 113.25,157.575 113.25,157.449 ; 113.25,174.7 113.25,176.949 ; 113.25,177.075 113.25,176.949 ; 113.25,194.2 113.25,196.449 ; 113.25,196.575 113.25,196.449 ; 113.25,213.7 113.25,215.949 ; 113.25,216.075 113.25,215.949 ; 113.75,118.475 113.276,118.475 113.25,118.449 ; 113.75,120.55 115.6,120.55 116,120.55 ; 113.75,137.975 113.276,137.975 113.25,137.949 ; 113.75,140.05 115.6,140.05 116,140.05 ; 113.75,157.475 113.276,157.475 113.25,157.449 ; 113.75,159.55 115.6,159.55 116,159.55 ; 113.75,176.975 113.276,176.975 113.25,176.949 ; 113.75,179.05 115.6,179.05 116,179.05 ; 113.75,196.475 113.276,196.475 113.25,196.449 ; 113.75,198.55 115.6,198.55 116,198.55 ; 113.75,215.975 113.276,215.975 113.25,215.949 ; 113.75,218.05 115.6,218.05 116,218.05 ; 114.25,118.3 114.25,116.5 114.55,116.2 115.35,116.2 116.75,116.2 117.15,116.6 117.15,119.3 116.9,119.55 116,119.55 ; v3@114.25,121.05 114.25,122.4 ; 114.25,137.8 114.25,136 114.55,135.7 115.35,135.7 116.75,135.7 117.15,136.1 117.15,138.8 116.9,139.05 116,139.05 ; v3@114.25,140.55 114.25,141.9 ; 114.25,157.3 114.25,155.5 114.55,155.2 115.35,155.2 116.75,155.2 117.15,155.6 117.15,158.3 116.9,158.55 116,158.55 ; v3@114.25,160.05 114.25,161.4 ; 114.25,176.8 114.25,175 114.55,174.7 115.35,174.7 116.75,174.7 117.15,175.1 117.15,177.8 116.9,178.05 116,178.05 ; v3@114.25,179.55 114.25,180.9 ; 114.25,196.3 114.25,194.5 114.55,194.2 115.35,194.2 116.75,194.2 117.15,194.6 117.15,197.3 116.9,197.55 116,197.55 ; v3@114.25,199.05 114.25,200.4 ; 114.25,215.8 114.25,214 114.55,213.7 115.35,213.7 116.75,213.7 117.15,214.1 117.15,216.8 116.9,217.05 116,217.05 ; v3@114.25,218.55 114.25,219.9 ; 114.75,118.3 114.75,117.75 115.2,117.3 v2(116.1,117.3) ; 114.75,122.525 114.75,121.55 115.725,121.55 ; 114.75,137.8 114.75,137.25 115.2,136.8 v2(116.1,136.8) ; 114.75,142.025 114.75,141.05 115.725,141.05 ; 114.75,157.3 114.75,156.75 115.2,156.3 v2(116.1,156.3) ; 114.75,161.525 114.75,160.55 115.725,160.55 ; 114.75,176.8 114.75,176.25 115.2,175.8 v2(116.1,175.8) ; 114.75,181.025 114.75,180.05 115.725,180.05 ; 114.75,196.3 114.75,195.75 115.2,195.3 v2(116.1,195.3) ; 114.75,200.525 114.75,199.55 115.725,199.55 ; 114.75,215.8 114.75,215.25 115.2,214.8 v2(116.1,214.8) ; 114.75,220.025 114.75,219.05 115.725,219.05 ; v2(115.4,115) 116.05,115 117.5,116.45 117.5,119.45 116.9,120.05 116,120.05 ; v2(115.4,134.5) 116.05,134.5 117.5,135.95 117.5,138.95 116.9,139.55 116,139.55 ; v2(115.4,154) 116.05,154 117.5,155.45 117.5,158.45 116.9,159.05 116,159.05 ; v2(115.4,173.5) 116.05,173.5 117.5,174.95 117.5,177.95 116.9,178.55 116,178.55 ; v2(115.4,193) 116.05,193 117.5,194.45 117.5,197.45 116.9,198.05 116,198.05 ; v2(115.4,212.5) 116.05,212.5 117.5,213.95 117.5,216.95 116.9,217.55 116,217.55 ; 115.851,121.05 v2(117.05,121.05) 118.4,121.05 ; 115.851,140.55 v2(117.05,140.55) 118.4,140.55 ; 115.851,160.05 v2(117.05,160.05) 118.4,160.05 ; 115.851,179.55 v2(117.05,179.55) 118.4,179.55 ; 115.851,199.05 v2(117.05,199.05) 118.4,199.05 ; 115.851,218.55 v2(117.05,218.55) 118.4,218.55 ; 116.815,124.15 v1(117.744,124.15) ; 116.815,143.65 v1(117.744,143.65) ; 116.815,163.15 v1(117.744,163.15) ; 116.815,182.65 v1(117.744,182.65) ; 116.815,202.15 v1(117.744,202.15) ; 116.815,221.65 v1(117.744,221.65) ; 119.3,121.05 v1(120.45,121.05) ; 119.3,140.55 v1(120.45,140.55) ; 119.3,160.05 v1(120.45,160.05) ; 119.3,179.55 v1(120.45,179.55) ; 119.3,199.05 v1(120.45,199.05) ; 119.3,218.55 v1(120.45,218.55)